# Altium PCB NURIP.PcbDoc (part 2 of 14)
Units mil, origin at the board's own origin, x right, y up, seen from the top; angles counter-clockwise.
Board outline 7096.64 x 6702.94 mil, 6 copper layers (L1, L2, L3, L4, L5, L6), stack 48.469 mil thick; 305 components, 426 nets, 2172 pads, 1040 vias.
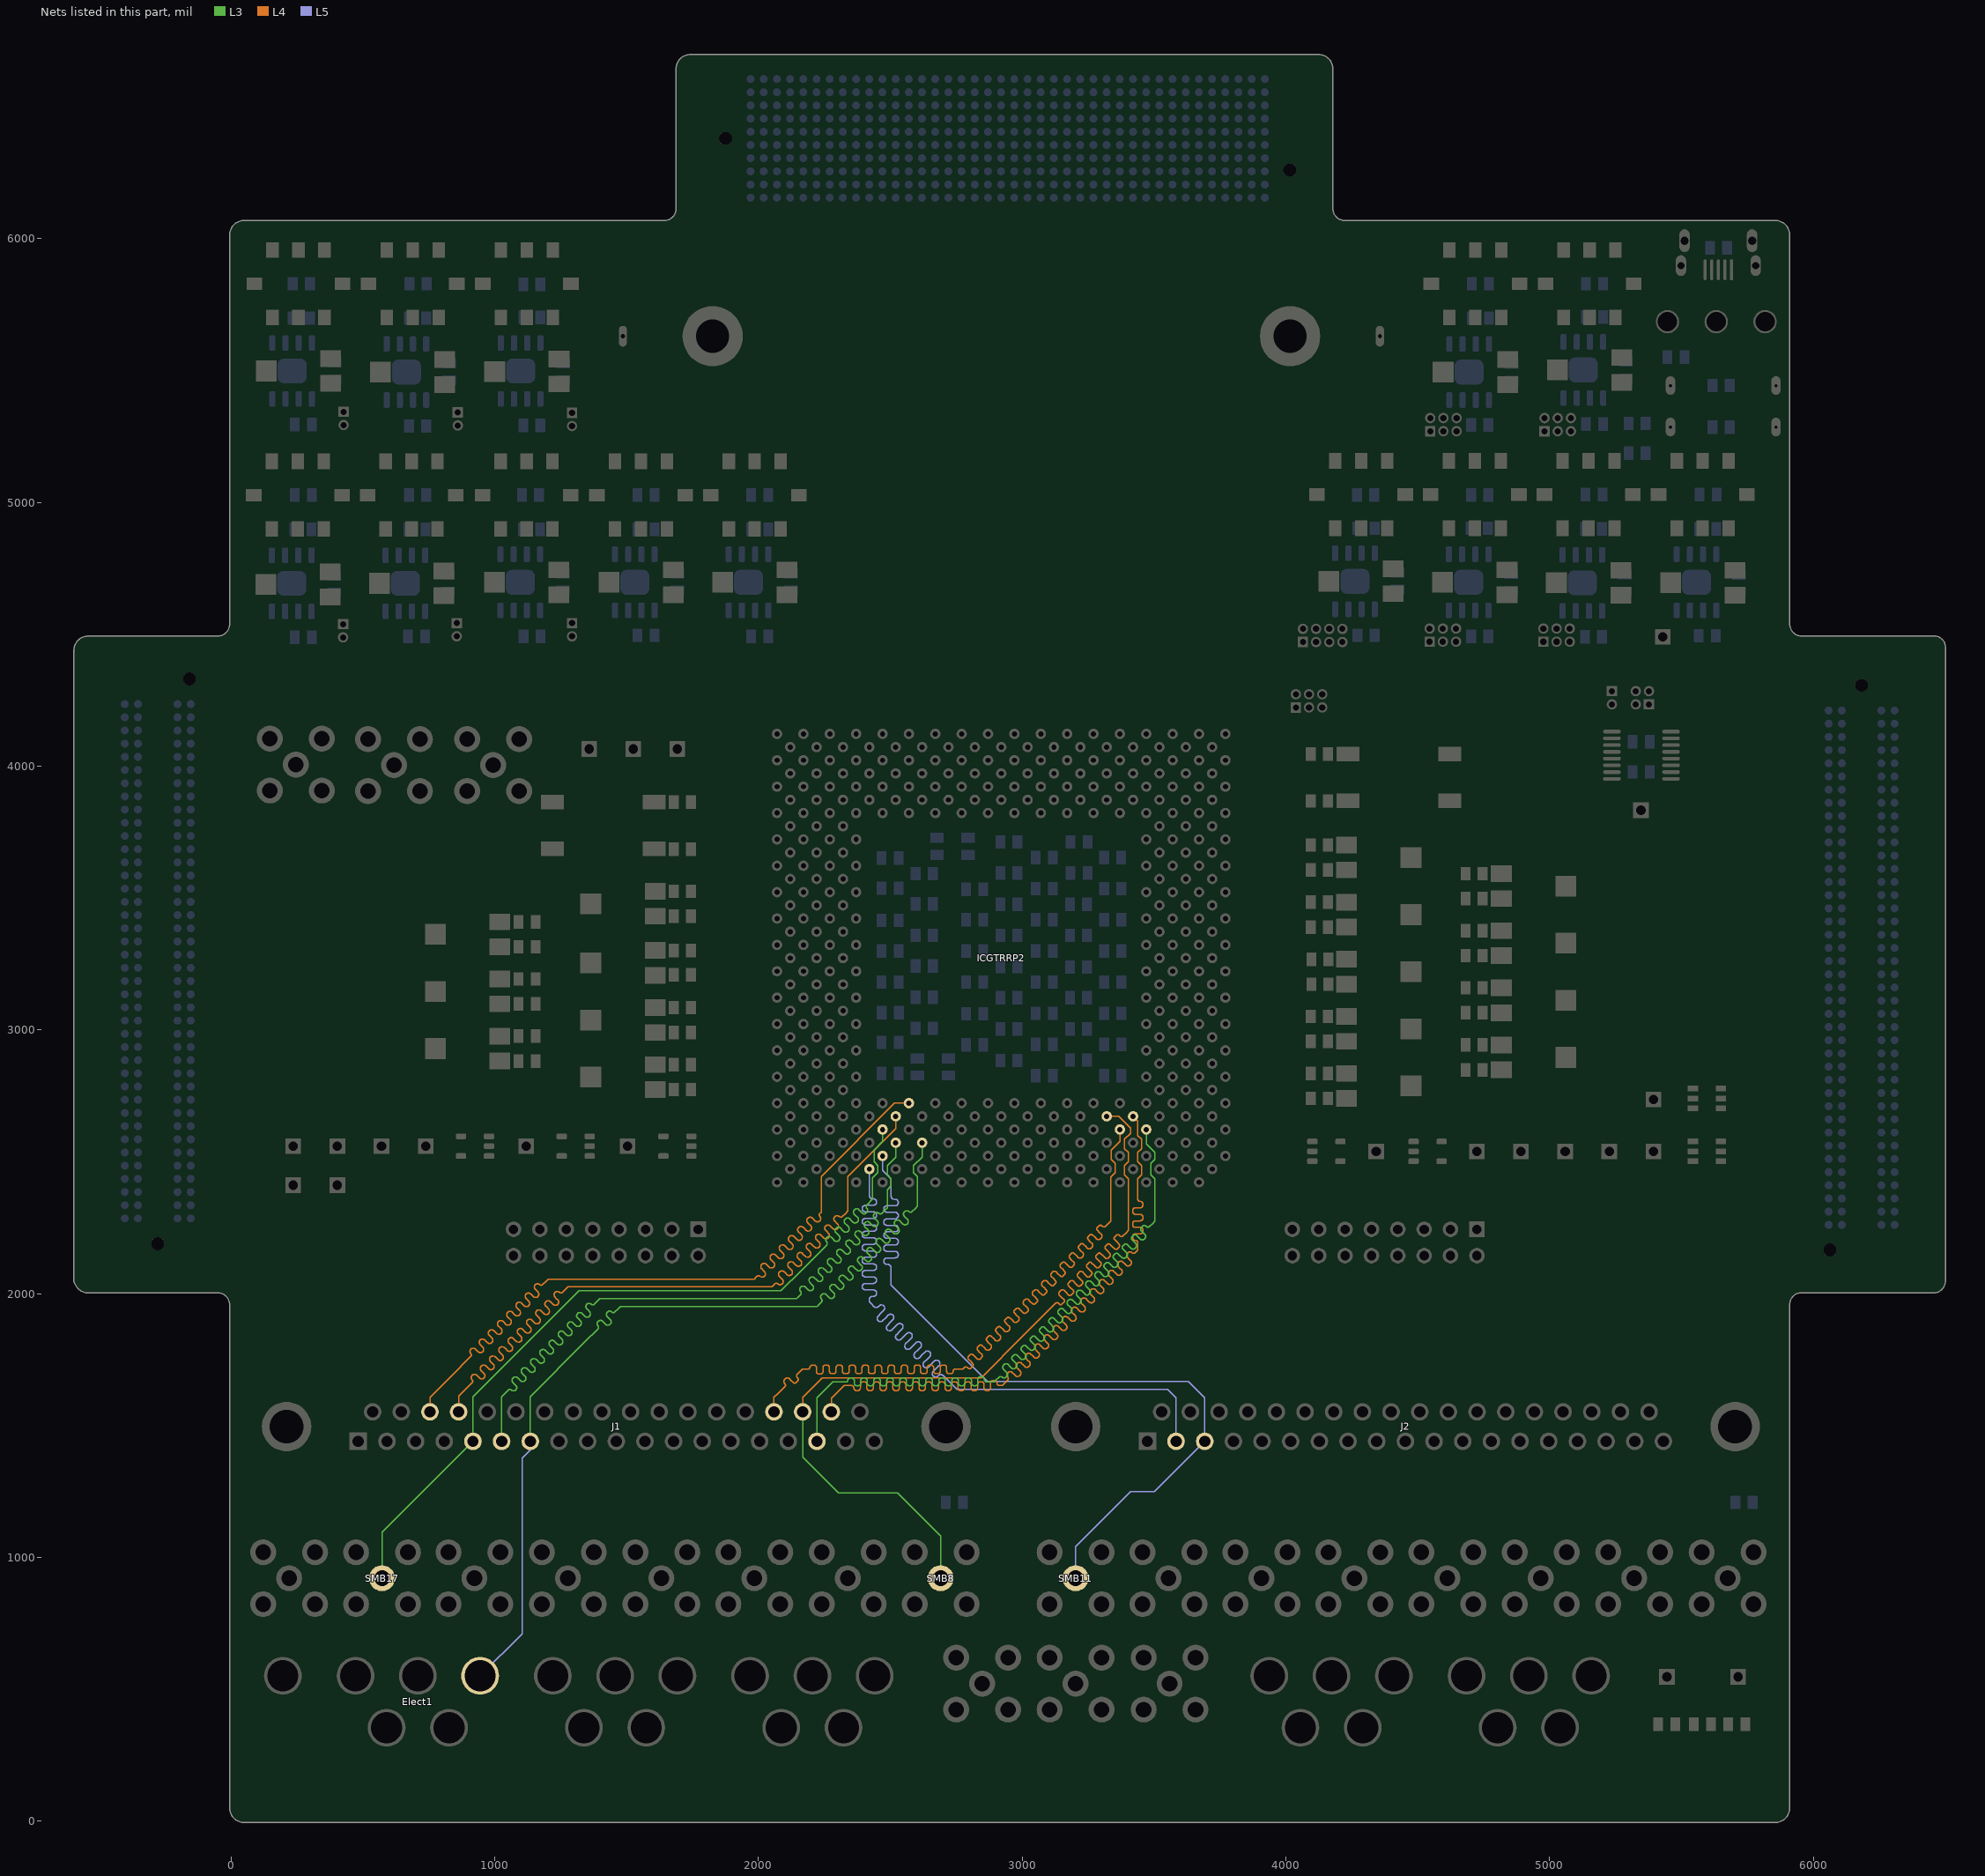
[diagram p6: the nets of this part, all layers, seen from the top]

## Footprints (in the part's own frame and the unit in brackets; to place one, negate y for a bottom-side part, rotate by r counter-clockwise, add the part's x,y. Pads: shape width x height; smd on the part's side, far side on the other; paste and mask are expansions set on the pad) (continued)
USB-MICROB [mm]
  rect 0.3x2 smd mask+0.05: 1(-1.27,0.8)
  oval 0.3x2 smd mask+0.05: 2(-0.635,0.8) 3(0,0.8) 4(0.635,0.8) 5(1.27,0.8)
  oval 1x2 hole 0.7 slot 1.8 at 90 deg unplated mask+0.01: ""(-3.6,0.4) ""(3.6,0.4)
  oval 1x2.2 hole 0.8 slot 2 at 90 deg unplated mask+0.01: ""(-3.25,-2) ""(3.25,-2)
  silkscreen extent -3.7,-3.9 3.7,0.9, body extent -3.7,-3.9 3.7,0.9, height 1.55

## Part data
BAT1: library part BAT
C1 C2 C3 C4 C5 C6 C7 C8 C9 C10 C11 C12 C13 C14 C15 C16 C17 C18 C19 C20 C21 C22 C23 C24 C25 C26 C27 C28 C29 C30 C31 C32 C33 C34 C35 C36 C37 C38 C39 C40 C41 C42 C43 C44 C45 C46 C47 C48 C49 C50 C51 C52 C53 C54 C55 C56 C57 C58 C59 C60 C61 C62 C63 C64 C65 C66 C67 C68 C69 C70 C71 C72 C73 C74 C75 C76 C77 C78 C79 C80 C81 C82 C83 C84 C85 C86 C87 C88 C89 C90 C91 C92 C93 C94 C95 C96 C97 C98 C99 C100 C101 C102 C103 C104 C105 C106 C107 C108 C109 C110 C111 C112 C113 C114 C115 C116 C117 C118 C119 C120 C121 C122 C123: library part "Cap (0805)"
FB1 FB2 R1 R2 R3 R4 R5 R6 R7 R8 R9 R10 R11 R12 R13 R14 R15 R16 R17 R18 R19 R20 R21 R22 R23 R24 R25 R26 R27 R28 R29 R30 R31 R32 R33 R34 R35 R36: library part "Res (0805)"
ICGTRRP2: library part PGA391
P1 P2 P4 P5 P14: "Header, 3-Pin, Dual row", LatestRevisionDate=17-Jul-2002, LatestRevisionNote="Re-released for DXP Platform.", Publisher="Altium Limited"
P3: "Header, 4-Pin, Dual row", LatestRevisionDate=17-Jul-2002, LatestRevisionNote="Re-released for DXP Platform.", Publisher="Altium Limited"
P6 P7 P8 P9 P10 P11: "Header, 2-Pin", LatestRevisionDate=17-Jul-2002, LatestRevisionNote="Re-released for DXP Platform.", Publisher="Altium Limited"
P12 P13: library part "Header 8X2", "Header, 8-Pin, Dual row", LatestRevisionDate=17-Jul-2002, LatestRevisionNote="Re-released for DXP Platform.", Publisher="Altium Limited"
P15: library part MHDR2X2, "Header, 2-Pin, Dual row", LatestRevisionDate=17-Jul-2002, LatestRevisionNote="Re-released for DXP Platform.", Publisher="Altium Limited"
P16: library part MHDR1X2, "Header, 2-Pin", LatestRevisionDate=17-Jul-2002, LatestRevisionNote="Re-released for DXP Platform.", Publisher="Altium Limited"
POT1 POT2 POT3 POT4 POT5 POT6 POT7 POT8 POT9 POT10 POT11 POT12 POT13 POT14 POT15 POT16 POT17 POT18 POT19 POT20 POT21 POT22 POT23 POT24 POT25 POT26 POT27 POT28 POT29 POT30: library part POT-SMD
PWR1: library part PWR-Banana
PWR3: library part USB-MicroB
SMB1 SMB2 SMB3 SMB4 SMB5 SMB6 SMB7 SMB8 SMB9 SMB10 SMB11 SMB12 SMB13 SMB14 SMB15 SMB16 SMB17 SMB18 SMB19 SMB20 SMB21 SMB22: "SMB Straight Connector", LatestRevisionDate=17-Jul-2002, LatestRevisionNote="Re-released for DXP Platform.", Publisher="Altium Limited"
SW0: library part SW-SPDT
J3 J4 J6 J7 J8 J9 J10 J11 J12 J13 J14 J15 J16 J17 J18 J19 J20 J21 J22 J23 J24 J25: LatestRevisionDate=17-Jul-2002, LatestRevisionNote="Re-released for DXP Platform.", Publisher="Altium Limited"

## Via types
v1: diameter 20, hole 10, L1 to L6, tented both sides, 908 vias
v2: diameter 19.68, hole 7.87, L1 to L6, 126 vias
v3: diameter 196.85, hole 118.11, L1 to L6, 6 vias

## Nets (pads, with @x,y where several pads share a name; then routed paths per layer and width w, separated by ;. In a path a pad name is that pad's centre, name@x,y a point inside that pad or via, vN(x,y) a via of type N, cw(c..) or ccw(c..) an arc to the next point about the centre after c; other vN are vias at no path point)
0A1: ICGTRRP2.E27 J1.5 SMB17.1 | length 3186.3
  L3 w5: SMB17.1@572.83,921.26 572.83,1095.36 J1.5@917.64,1440.16 917.64,1608.58 1319.68,2010.63 2085.43,2010.63 2165.35,2090.55 2258.08,2183.28 ccw(c2251.14,2190.22) 2258.08,2197.15 cw(c2265.06,2204.14) 2258.08,2211.12 2261.57,2214.61 cw(c2268.55,2207.63) 2275.54,2214.61 2282.47,2207.67 2289.41,2200.73 ccw(c2296.39,2207.72) 2303.38,2200.73 2306.87,2204.22 ccw(c2299.88,2211.21) 2306.87,2218.19 2299.93,2225.13 2292.99,2232.06 cw(c2299.97,2239.04) 2292.99,2246.03 2296.48,2249.52 cw(c2303.46,2242.54) 2310.45,2249.52 2317.38,2242.58 2324.32,2235.64 ccw(c2331.3,2242.62) 2338.29,2235.64 2341.78,2239.13 ccw(c2334.79,2246.12) 2341.78,2253.1 2334.84,2260.04 2327.9,2266.97 cw(c2334.88,2273.95) 2327.9,2280.94 2331.39,2284.43 cw(c2338.37,2277.45) 2345.36,2284.43 2352.29,2277.49 2359.23,2270.55 ccw(c2366.21,2277.53) 2373.19,2270.55 2376.69,2274.04 ccw(c2369.7,2281.03) 2376.69,2288.01 2369.75,2294.95 2362.81,2301.88 cw(c2369.79,2308.86) 2362.81,2315.85 2366.3,2319.34 cw(c2373.28,2312.36) 2380.27,2319.34 2387.2,2312.4 2394.14,2305.46 ccw(c2401.12,2312.44) 2408.1,2305.46 2411.6,2308.95 ccw(c2404.61,2315.94) 2411.6,2322.92 cw(c2418.53,2329.86) 2411.6,2336.79 2413.39,2338.58 2433.07,2358.27 2433.07,2439.05 2452.89,2458.87 2452.89,2485.54 2438.52,2499.91 2438.52,2544.5 2470.71,2576.69 ICGTRRP2.E27@2470.71,2622.2
0A2: ICGTRRP2.F10 J1.35 SMB8.1 | length 3507.1
  L3 w5: J1.35@2167.7,1551.97 2167.7,1379.92 2303.52,1244.09 2527.56,1244.09 2690.94,1080.71 SMB8.1@2690.94,921.26
  L4 w5: J1.35@2167.7,1551.97 2167.7,1606.67 2242.13,1681.1 2844.49,1681.1 3003.94,1840.55 3127.11,1963.72 cw(c3132.34,1958.48) 3137.58,1963.72 3140.95,1960.35 ccw(c3146.19,1965.58) 3151.42,1960.35 3158.41,1967.33 ccw(c3153.17,1972.57) 3158.41,1977.8 3149.8,1986.41 3141.19,1995.02 cw(c3146.43,2000.26) 3141.19,2005.49 3148.17,2012.47 ; 3148.17,2012.47 cw(c3153.41,2007.24) 3158.64,2012.47 ; 3158.64,2012.47 3167.25,2003.87 3175.86,1995.26 ccw(c3181.1,2000.49) 3186.33,1995.26 3193.32,2002.24 ccw(c3188.08,2007.48) 3193.32,2012.71 3184.71,2021.32 3176.1,2029.93 cw(c3181.34,2035.17) 3176.1,2040.4 3183.08,2047.38 cw(c3188.32,2042.15) 3193.55,2047.38 3202.16,2038.78 3210.77,2030.17 ccw(c3216.01,2035.4) 3221.24,2030.17 3228.23,2037.15 ccw(c3222.99,2042.39) 3228.23,2047.62 3219.62,2056.23 3211.01,2064.84 cw(c3216.24,2070.08) 3211.01,2075.31 3217.99,2082.29 cw(c3223.23,2077.06) 3228.46,2082.29 3237.07,2073.69 3245.68,2065.08 ccw(c3250.92,2070.31) 3256.15,2065.08 3263.14,2072.06 ccw(c3257.9,2077.3) 3263.14,2082.53 3254.53,2091.14 3245.92,2099.75 cw(c3251.15,2104.99) 3245.92,2110.22 3252.9,2117.2 cw(c3258.14,2111.97) 3263.37,2117.2 3271.98,2108.6 3280.59,2099.99 ccw(c3285.83,2105.22) 3291.06,2099.99 3298.05,2106.97 ccw(c3292.81,2112.21) 3298.05,2117.44 3289.44,2126.05 3280.83,2134.66 cw(c3286.06,2139.9) 3280.83,2145.13 3287.81,2152.11 cw(c3293.05,2146.88) 3298.28,2152.11 3306.89,2143.51 3315.5,2134.9 ccw(c3320.74,2140.13) 3325.97,2134.9 3332.96,2141.88 ccw(c3327.72,2147.12) 3332.96,2152.35 3324.35,2160.96 3315.74,2169.57 cw(c3320.97,2174.81) 3315.74,2180.04 3322.72,2187.02 cw(c3327.96,2181.79) 3333.19,2187.02 3341.8,2178.42 3350.41,2169.81 ccw(c3355.65,2175.04) 3360.88,2169.81 3367.86,2176.79 ccw(c3362.63,2182.03) 3367.86,2187.26 3359.26,2195.87 3350.65,2204.48 cw(c3355.88,2209.72) 3350.65,2214.95 3357.63,2221.93 cw(c3362.87,2216.7) 3368.1,2221.93 3371.47,2218.56 ccw(c3376.71,2223.8) 3381.95,2218.56 3394.17,2230.78 3402.89,2239.51 3402.89,2435.54 3388.52,2449.91 3388.52,2485.54 3402.89,2499.91 3402.89,2535.54 3388.52,2549.91 3388.52,2585.54 3410.48,2607.49 3410.48,2627.95 3366.23,2672.2 ICGTRRP2.F10@3320.71,2672.2
0A3: ICGTRRP2.G25 J1.22 | length 3193.8
  L4 w5: J1.22@754.59,1551.97 754.59,1606.95 835.63,1687.99 909.56,1761.92 ccw(c904.37,1767.11) 909.56,1772.3 ; 909.58,1772.28 909.85,1772.01 cw(c918.6,1780.72) 909.87,1789.45 cw(c918.6,1780.72) 927.32,1789.45 932.2,1784.57 937.08,1779.69 ccw(c945.81,1788.41) 954.54,1779.69 ccw(c945.81,1788.41) 954.54,1797.14 949.66,1802.02 944.78,1806.9 cw(c953.51,1815.63) 944.78,1824.36 cw(c953.51,1815.63) 962.23,1824.36 967.11,1819.48 971.99,1814.6 ccw(c980.72,1823.32) 989.45,1814.6 ccw(c980.72,1823.32) 989.45,1832.05 984.57,1836.93 979.69,1841.81 cw(c988.42,1850.54) 979.69,1859.27 cw(c988.42,1850.54) 997.14,1859.27 1002.02,1854.39 1006.9,1849.51 ccw(c1015.63,1858.23) 1024.36,1849.51 ccw(c1015.63,1858.23) 1024.36,1866.96 1019.48,1871.84 1014.6,1876.72 cw(c1023.33,1885.45) 1014.6,1894.18 cw(c1023.33,1885.45) 1032.05,1894.18 1036.93,1889.3 1041.81,1884.42 ccw(c1050.54,1893.14) 1059.27,1884.42 ccw(c1050.54,1893.14) 1059.27,1901.87 1054.39,1906.75 1049.51,1911.63 cw(c1058.24,1920.36) 1049.51,1929.09 cw(c1058.24,1920.36) 1066.96,1929.09 1071.84,1924.21 1076.72,1919.33 ccw(c1085.45,1928.05) 1094.18,1919.33 ccw(c1085.45,1928.05) 1094.18,1936.78 1089.3,1941.66 1084.42,1946.54 cw(c1093.15,1955.27) 1084.42,1964 cw(c1093.15,1955.27) 1101.87,1964 1106.75,1959.12 1111.63,1954.24 ccw(c1120.36,1962.96) 1129.09,1954.24 ccw(c1120.36,1962.96) 1129.09,1971.69 1124.21,1976.57 1119.33,1981.45 cw(c1128.06,1990.18) 1119.33,1998.91 cw(c1128.06,1990.18) 1136.78,1998.91 1141.66,1994.03 1146.54,1989.15 ccw(c1155.27,1997.87) 1164,1989.15 ccw(c1155.27,1997.87) 1164,2006.6 1159.12,2011.48 1153.93,2016.67 cw(c1162.65,2025.4) 1153.93,2034.13 cw(c1162.65,2025.4) 1171.38,2034.13 ccw(c1176.57,2039.32) 1181.77,2034.13 1194.03,2046.39 1202.76,2055.12 1984.25,2055.12 1992.13,2062.99 1995.39,2066.25 cw(c2000.58,2061.06) 2005.77,2066.25 ccw(c2014.5,2074.98) 2023.23,2066.25 ccw(c2014.5,2074.98) 2023.23,2083.71 2018.03,2088.9 2012.84,2094.09 cw(c2021.57,2102.82) 2012.84,2111.55 cw(c2021.57,2102.82) 2030.3,2111.55 2035.49,2106.35 2040.68,2101.16 ccw(c2049.41,2109.89) 2058.14,2101.16 ccw(c2049.41,2109.89) 2058.14,2118.62 2052.94,2123.81 2047.75,2129 cw(c2056.48,2137.73) 2047.75,2146.46 cw(c2056.48,2137.73) 2065.21,2146.46 2070.4,2141.26 2075.59,2136.07 ccw(c2084.32,2144.8) 2093.05,2136.07 ccw(c2084.32,2144.8) 2093.05,2153.53 2087.85,2158.72 2082.66,2163.91 cw(c2091.39,2172.64) 2082.66,2181.37 cw(c2091.39,2172.64) 2100.12,2181.37 2105.31,2176.17 2110.5,2170.98 ccw(c2119.23,2179.71) 2127.96,2170.98 ccw(c2119.23,2179.71) 2127.96,2188.44 2122.76,2193.63 2117.57,2198.82 cw(c2126.3,2207.55) 2117.57,2216.28 cw(c2126.3,2207.55) 2135.03,2216.28 2140.22,2211.08 2145.41,2205.89 ccw(c2154.14,2214.62) 2162.87,2205.89 ccw(c2154.14,2214.62) 2162.87,2223.35 2157.67,2228.54 2152.48,2233.73 cw(c2161.21,2242.46) 2152.48,2251.19 cw(c2161.21,2242.46) 2169.94,2251.19 2175.13,2245.99 2180.32,2240.8 ccw(c2189.05,2249.53) 2197.78,2240.8 ccw(c2189.05,2249.53) 2197.78,2258.26 2192.58,2263.45 2187.39,2268.64 cw(c2196.12,2277.37) 2187.39,2286.1 cw(c2196.12,2277.37) 2204.85,2286.1 2210.04,2280.9 2215.23,2275.71 ccw(c2223.96,2284.44) 2232.68,2275.71 ccw(c2223.96,2284.44) 2232.68,2293.17 cw(c2237.88,2298.36) 2232.68,2303.55 2236.22,2307.09 2238.52,2309.39 2238.52,2444.5 2516.23,2722.2 ICGTRRP2.G25@2570.71,2722.2
0A4: ICGTRRP2.E7 J1.17 | length 3508
  L3 w5: J1.17@2222.05,1440.16 2222.05,1605.91 2281.77,1665.63 2312.99,1665.63 2333.44,1665.63 ccw(c2333.44,1670.76) 2338.56,1670.76 2338.56,1670.53 ; 2338.56,1670.52 cw(c2348.44,1670.52) 2348.44,1680.39 2353.37,1680.39 cw(c2353.37,1670.52) 2363.25,1670.52 2363.25,1665.63 2363.25,1660.74 ccw(c2373.12,1660.74) 2373.12,1650.87 2378.06,1650.87 ccw(c2378.06,1660.74) 2387.93,1660.74 2387.93,1665.63 2387.93,1670.52 cw(c2397.81,1670.52) 2397.81,1680.39 2402.74,1680.39 cw(c2402.74,1670.52) 2412.62,1670.52 2412.62,1665.63 2412.62,1660.74 ccw(c2422.49,1660.74) 2422.49,1650.87 2427.43,1650.87 ccw(c2427.43,1660.74) 2437.3,1660.74 2437.3,1665.63 2437.3,1670.52 cw(c2447.18,1670.52) 2447.18,1680.39 2452.11,1680.39 cw(c2452.11,1670.52) 2461.99,1670.52 2461.99,1665.63 2461.99,1660.74 ccw(c2471.86,1660.74) 2471.86,1650.87 2476.8,1650.87 ccw(c2476.8,1660.74) 2486.67,1660.74 2486.67,1665.63 2486.67,1670.52 cw(c2496.55,1670.52) 2496.55,1680.39 2501.48,1680.39 cw(c2501.48,1670.52) 2511.36,1670.52 2511.36,1665.63 2511.36,1660.74 ccw(c2521.23,1660.74) 2521.23,1650.87 2526.17,1650.87 ccw(c2526.17,1660.74) 2536.04,1660.74 2536.04,1665.63 2536.04,1670.52 cw(c2545.92,1670.52) 2545.92,1680.39 2550.85,1680.39 cw(c2550.85,1670.52) 2560.73,1670.52 2560.73,1665.63 2560.73,1660.74 ccw(c2570.6,1660.74) 2570.6,1650.87 2575.54,1650.87 ccw(c2575.54,1660.74) 2585.41,1660.74 2585.41,1665.63 2585.41,1670.52 cw(c2595.29,1670.52) 2595.29,1680.39 2600.22,1680.39 cw(c2600.22,1670.52) 2610.1,1670.52 2610.1,1665.63 2610.1,1660.74 ccw(c2619.97,1660.74) 2619.97,1650.87 2624.91,1650.87 ccw(c2624.91,1660.74) 2634.78,1660.74 2634.78,1665.63 2634.78,1670.52 cw(c2644.66,1670.52) 2644.66,1680.39 2649.59,1680.39 cw(c2649.59,1670.52) 2659.47,1670.52 2659.47,1665.63 2659.47,1660.74 ccw(c2669.34,1660.74) 2669.34,1650.87 2674.28,1650.87 ccw(c2674.28,1660.74) 2684.15,1660.74 2684.15,1665.63 2684.15,1670.52 cw(c2694.03,1670.52) 2694.03,1680.39 2698.96,1680.39 cw(c2698.96,1670.52) 2708.84,1670.52 2708.84,1665.63 2708.84,1660.74 ccw(c2718.71,1660.74) 2718.71,1650.87 2723.65,1650.87 ccw(c2723.65,1660.74) 2733.52,1660.74 2733.52,1665.63 2733.52,1670.52 cw(c2743.4,1670.52) 2743.4,1680.39 2748.33,1680.39 cw(c2748.33,1670.52) 2758.21,1670.52 2758.21,1665.63 2758.21,1660.74 ccw(c2768.08,1660.74) 2768.08,1650.87 2773.02,1650.87 ccw(c2773.02,1660.74) 2782.89,1660.74 2782.89,1665.63 2782.89,1670.52 cw(c2792.77,1670.52) 2792.77,1680.39 2797.7,1680.39 cw(c2797.7,1670.52) 2807.58,1670.52 2807.58,1665.63 2807.58,1660.74 ccw(c2817.45,1660.74) 2817.45,1650.87 2822.39,1650.87 ccw(c2822.39,1660.74) 2832.26,1660.74 2832.26,1665.63 2832.26,1675.44 cw(c2842.14,1675.44) 2842.14,1685.31 2847.07,1685.31 cw(c2847.07,1675.44) 2856.95,1675.44 ccw(c2866.76,1675.44) 2866.76,1665.63 2881.63,1665.63 2893.98,1665.63 2900.7,1672.35 2911.22,1682.87 cw(c2918.15,1675.93) 2925.09,1682.87 ; 2924.92,1683.04 ccw(c2931.9,1690.02) 2938.88,1683.04 2942.38,1686.53 ccw(c2935.39,1693.51) 2942.38,1700.5 2935.61,1707.26 2928.84,1714.03 cw(c2935.82,1721.01) 2928.84,1727.99 2932.33,1731.48 cw(c2939.31,1724.5) 2946.3,1731.48 2953.06,1724.72 2959.83,1717.95 ccw(c2966.81,1724.93) 2973.79,1717.95 2977.29,1721.44 ccw(c2970.3,1728.42) 2977.29,1735.4 2970.52,1742.17 2963.75,1748.94 cw(c2970.73,1755.92) 2963.75,1762.9 2967.24,1766.39 cw(c2974.22,1759.41) 2981.21,1766.39 2987.97,1759.63 2994.74,1752.86 ccw(c3001.72,1759.84) 3008.7,1752.86 3012.2,1756.35 ccw(c3005.21,1763.33) 3012.2,1770.31 3005.43,1777.08 2998.66,1783.85 cw(c3005.64,1790.83) 2998.66,1797.81 3002.15,1801.3 cw(c3009.13,1794.32) 3016.12,1801.3 3022.88,1794.54 3029.65,1787.77 ccw(c3036.63,1794.75) 3043.61,1787.77 3047.11,1791.26 ccw(c3040.12,1798.24) 3047.11,1805.22 3040.34,1811.99 3033.57,1818.76 cw(c3040.55,1825.74) 3033.57,1832.72 3037.06,1836.21 cw(c3044.04,1829.23) 3051.03,1836.21 3057.79,1829.45 3064.56,1822.68 ccw(c3071.54,1829.66) 3078.52,1822.68 3082.01,1826.17 ccw(c3075.03,1833.15) 3082.01,1840.13 3075.25,1846.9 3068.48,1853.67 cw(c3075.46,1860.65) 3068.48,1867.63 3071.97,1871.12 cw(c3078.95,1864.14) 3085.94,1871.12 3092.7,1864.36 3099.47,1857.59 ccw(c3106.45,1864.57) 3113.43,1857.59 3116.92,1861.08 ccw(c3109.94,1868.06) 3116.92,1875.04 3110.16,1881.81 3103.39,1888.58 cw(c3110.37,1895.56) 3103.39,1902.54 3106.88,1906.03 cw(c3113.86,1899.05) 3120.85,1906.03 3127.61,1899.27 3134.38,1892.5 ccw(c3141.36,1899.48) 3148.34,1892.5 3151.83,1895.99 ccw(c3144.85,1902.97) 3151.83,1909.95 3145.07,1916.72 3138.3,1923.49 cw(c3145.28,1930.47) 3138.3,1937.45 3141.79,1940.94 cw(c3148.77,1933.96) 3155.76,1940.94 3162.52,1934.18 3169.29,1927.41 ccw(c3176.27,1934.39) 3183.25,1927.41 3186.74,1930.9 ccw(c3179.76,1937.88) 3186.74,1944.86 3179.98,1951.63 3173.21,1958.4 cw(c3180.19,1965.38) 3173.21,1972.36 3176.7,1975.85 cw(c3183.68,1968.87) 3190.67,1975.85 3197.43,1969.09 3204.2,1962.32 ccw(c3211.18,1969.3) 3218.16,1962.32 3221.65,1965.81 ccw(c3214.67,1972.79) 3221.65,1979.77 3214.89,1986.54 3208.12,1993.31 cw(c3215.1,2000.29) 3208.12,2007.27 3211.61,2010.76 cw(c3218.59,2003.78) 3225.58,2010.76 3232.34,2004 3239.11,1997.23 ccw(c3246.09,2004.21) 3253.07,1997.23 3256.56,2000.72 ccw(c3249.58,2007.7) 3256.56,2014.68 3249.8,2021.45 3243.03,2028.22 cw(c3250.01,2035.2) 3243.03,2042.18 3246.52,2045.67 cw(c3253.5,2038.69) 3260.49,2045.67 3267.25,2038.91 3274.02,2032.14 ccw(c3281,2039.12) 3287.98,2032.14 3291.47,2035.63 ccw(c3284.49,2042.61) 3291.47,2049.59 3284.71,2056.36 3277.94,2063.13 cw(c3284.92,2070.11) 3277.94,2077.09 3281.43,2080.58 cw(c3288.41,2073.6) 3295.4,2080.58 3302.16,2073.82 3308.93,2067.05 ccw(c3315.91,2074.03) 3322.89,2067.05 3326.38,2070.54 ccw(c3319.4,2077.52) 3326.38,2084.5 3319.62,2091.27 3312.85,2098.04 cw(c3319.83,2105.02) 3312.85,2112 3316.34,2115.49 cw(c3323.32,2108.51) 3330.3,2115.49 3337.07,2108.73 3343.84,2101.96 ccw(c3350.82,2108.94) 3357.8,2101.96 3361.29,2105.45 ccw(c3354.31,2112.43) 3361.29,2119.41 3354.53,2126.18 3347.76,2132.95 cw(c3354.74,2139.93) 3347.76,2146.91 3351.25,2150.4 cw(c3358.23,2143.42) 3365.21,2150.4 3371.98,2143.64 3378.75,2136.87 ccw(c3385.73,2143.85) 3392.71,2136.87 3396.2,2140.36 ccw(c3389.22,2147.34) 3396.2,2154.32 3389.44,2161.09 3382.67,2167.86 cw(c3389.65,2174.84) 3382.67,2181.82 3386.16,2185.31 cw(c3393.14,2178.33) 3400.12,2185.31 3406.89,2178.55 3413.66,2171.78 ccw(c3420.64,2178.76) 3427.62,2171.78 3431.11,2175.27 ccw(c3424.13,2182.25) 3431.11,2189.23 3424.35,2196 3417.58,2202.77 cw(c3424.56,2209.75) 3417.58,2216.73 3421.07,2220.22 cw(c3428.05,2213.24) 3435.03,2220.22 3441.8,2213.45 3448.57,2206.69 ccw(c3455.55,2213.67) 3462.53,2206.69 3466.02,2210.18 ccw(c3459.04,2217.16) 3466.02,2224.14 3459.26,2230.91 3452.32,2237.85 cw(c3459.3,2244.83) 3452.32,2251.81 3455.81,2255.3 cw(c3462.79,2248.32) 3469.77,2255.3 ccw(c3476.71,2262.24) 3483.65,2255.3 3494.17,2265.82 3502.89,2274.55 3502.89,2435.54 3488.52,2449.91 3488.52,2494.5 3502.89,2508.87 3502.89,2535.54 3470.71,2567.72 ICGTRRP2.E7@3470.71,2622.2 ; 2924.93,1683.03 2925.08,1682.88
0A5: ICGTRRP2.F26 J1.23 | length 3193.1
  L4 w5: J1.23@863.29,1551.97 863.29,1611.32 886.81,1634.84 914.54,1662.57 ccw(c909.35,1667.76) 914.54,1672.96 914.61,1672.88 cw(c923.35,1681.61) 914.62,1690.33 cw(c923.35,1681.61) 932.07,1690.33 937.19,1685.22 942.3,1680.11 ccw(c951.03,1688.83) 959.76,1680.11 ccw(c951.03,1688.83) 959.76,1697.56 954.64,1702.67 949.53,1707.79 cw(c958.26,1716.52) 949.53,1725.24 cw(c958.26,1716.52) 966.98,1725.24 972.1,1720.13 977.21,1715.02 ccw(c985.94,1723.74) 994.67,1715.02 ccw(c985.94,1723.74) 994.67,1732.47 989.55,1737.58 984.44,1742.7 cw(c993.17,1751.43) 984.44,1760.15 cw(c993.17,1751.43) 1001.89,1760.15 1007.01,1755.04 1012.12,1749.93 ccw(c1020.85,1758.65) 1029.58,1749.93 ccw(c1020.85,1758.65) 1029.58,1767.38 1024.46,1772.49 1019.35,1777.61 cw(c1028.08,1786.34) 1019.35,1795.06 cw(c1028.08,1786.34) 1036.8,1795.06 1041.92,1789.95 1047.03,1784.84 ccw(c1055.76,1793.56) 1064.49,1784.84 ccw(c1055.76,1793.56) 1064.49,1802.29 1059.37,1807.4 1054.26,1812.52 cw(c1062.99,1821.25) 1054.26,1829.97 cw(c1062.99,1821.25) 1071.71,1829.97 1076.83,1824.86 1081.94,1819.74 ccw(c1090.67,1828.47) 1099.4,1819.74 ccw(c1090.67,1828.47) 1099.4,1837.2 1094.28,1842.31 1089.17,1847.43 cw(c1097.9,1856.16) 1089.17,1864.88 cw(c1097.9,1856.16) 1106.62,1864.88 1111.74,1859.77 1116.85,1854.65 ccw(c1125.58,1863.38) 1134.31,1854.65 ccw(c1125.58,1863.38) 1134.31,1872.11 1129.19,1877.22 1124.08,1882.34 cw(c1132.81,1891.07) 1124.08,1899.79 cw(c1132.81,1891.07) 1141.53,1899.79 1146.65,1894.68 1151.76,1889.56 ccw(c1160.49,1898.29) 1169.22,1889.56 ccw(c1160.49,1898.29) 1169.22,1907.02 1164.1,1912.13 1158.99,1917.25 cw(c1167.72,1925.97) 1158.99,1934.7 cw(c1167.72,1925.97) 1176.44,1934.7 1181.56,1929.59 1186.67,1924.47 ccw(c1195.4,1933.2) 1204.13,1924.47 ccw(c1195.4,1933.2) 1204.13,1941.93 1199.01,1947.04 1193.9,1952.16 cw(c1202.63,1960.88) 1193.9,1969.61 cw(c1202.63,1960.88) 1211.35,1969.61 1216.47,1964.5 1221.58,1959.38 ccw(c1230.31,1968.11) 1239.04,1959.38 ccw(c1230.31,1968.11) 1239.04,1976.84 1233.92,1981.95 1228.73,1987.15 cw(c1237.46,1995.87) 1228.73,2004.6 cw(c1237.46,1995.87) 1246.18,2004.6 ccw(c1251.38,2009.79) 1256.57,2004.6 1268.83,2016.86 1277.56,2025.59 2051.18,2025.59 2055.12,2029.53 2062.78,2037.19 cw(c2067.97,2032) 2073.16,2037.19 ccw(c2081.89,2045.92) 2090.62,2037.19 ccw(c2081.89,2045.92) 2090.62,2054.64 2085.43,2059.84 2080.24,2065.03 cw(c2088.96,2073.76) 2080.24,2082.48 cw(c2088.96,2073.76) 2097.69,2082.48 2102.88,2077.29 2108.07,2072.1 ccw(c2116.8,2080.83) 2125.53,2072.1 ccw(c2116.8,2080.83) 2125.53,2089.55 2120.34,2094.75 2115.15,2099.94 cw(c2123.87,2108.67) 2115.15,2117.39 cw(c2123.87,2108.67) 2132.6,2117.39 2137.79,2112.2 2142.98,2107.01 ccw(c2151.71,2115.74) 2160.44,2107.01 ccw(c2151.71,2115.74) 2160.44,2124.46 2155.25,2129.66 2150.05,2134.85 cw(c2158.78,2143.58) 2150.05,2152.3 cw(c2158.78,2143.58) 2167.51,2152.3 2172.7,2147.11 2177.89,2141.92 ccw(c2186.62,2150.65) 2195.35,2141.92 ccw(c2186.62,2150.65) 2195.35,2159.37 2190.16,2164.57 2184.96,2169.76 cw(c2193.69,2178.49) 2184.96,2187.21 cw(c2193.69,2178.49) 2202.42,2187.21 2207.61,2182.02 2212.8,2176.83 ccw(c2221.53,2185.56) 2230.26,2176.83 ccw(c2221.53,2185.56) 2230.26,2194.28 2225.07,2199.48 2219.87,2204.67 cw(c2228.6,2213.4) 2219.87,2222.12 cw(c2228.6,2213.4) 2237.33,2222.12 2242.52,2216.93 2247.71,2211.74 ccw(c2256.44,2220.47) 2265.17,2211.74 ccw(c2256.44,2220.47) 2265.17,2229.19 2259.98,2234.39 2254.78,2239.58 cw(c2263.51,2248.31) 2254.78,2257.03 cw(c2263.51,2248.31) 2272.24,2257.03 2277.43,2251.84 2282.62,2246.65 ccw(c2291.35,2255.38) 2300.08,2246.65 ccw(c2291.35,2255.38) 2300.08,2264.1 2294.89,2269.3 2289.69,2274.49 cw(c2298.42,2283.22) 2289.69,2291.94 cw(c2298.42,2283.22) 2307.15,2291.94 ccw(c2312.34,2297.13) 2317.53,2291.94 2329.8,2304.21 2338.52,2312.93 2338.52,2444.5 2520.71,2626.69 ICGTRRP2.F26@2520.71,2672.2